# Altium PCB PCB1.PcbDoc (part 1 of 2) (continued)
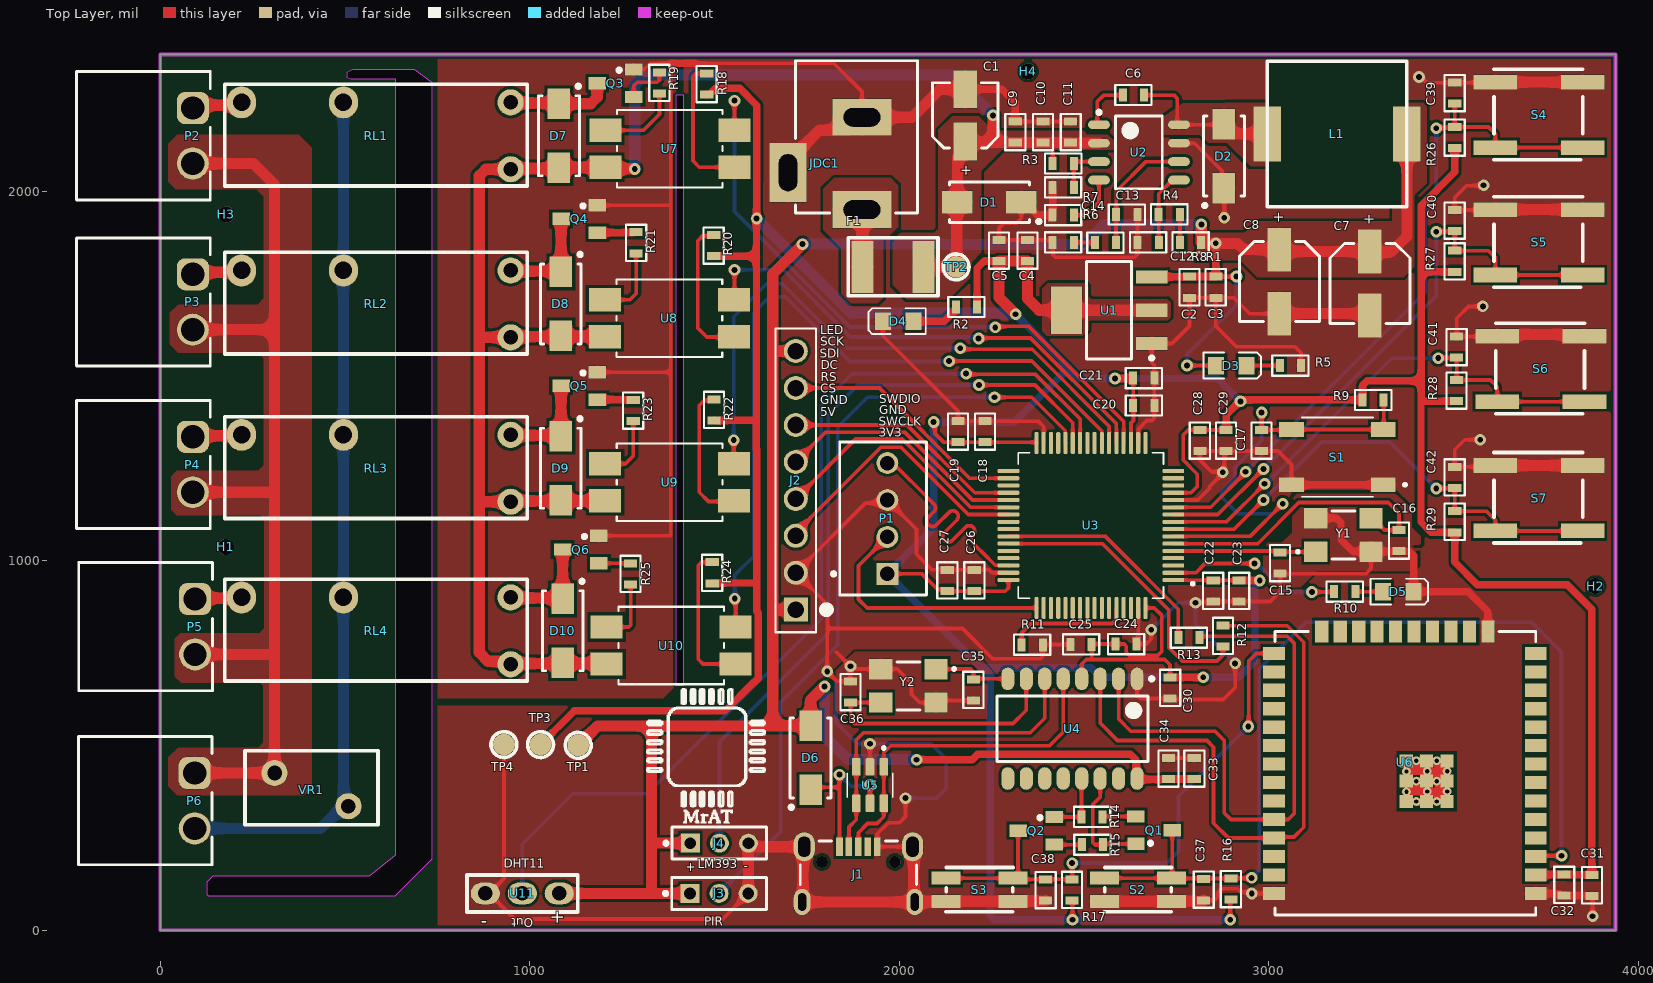
[diagram p0: Top Layer view]
## Part data (continued)
C11 C14 C30: library part 01060310310, "CAP, size 0603, 10nF", Capacitance Tolerance=+/-10%, Operating Temperature="-55 to +125degC", Capacitance=10nF, ComponentLink1Description=Manufacturer, ComponentLink1URL=http://www.we-online.de, ComponentLink2Description=Datasheet, ComponentLink2URL=https://www.we-online.com/catalog/datasheet/885012206089.pdf, Mounting Technology=SMT, Packaging="Tape and Reel", Size=0603, Supply 1 Name="Wurth Elektronik", Supply 1 SN=885012206089, Supply 1 URL=https://www.we-online.com/en/components/products/WCAP-CSGP-50VDC?sq=885012206089#885012206089, Supply 2 Name=Thegioiic, Supply 2 URL=https://www.thegioiic.com/tu-gom-0603-10nf-50v
C13: library part 01060347310, "CAP, size 0603, 47nF", Capacitance=47nF, Capacitance Tolerance=+/-10%, Operating Temperature="-55 to +125degC", ComponentLink1Description=Manufacturer, ComponentLink1URL=http://www.we-online.de, ComponentLink2Description=Datasheet, ComponentLink2URL=https://www.we-online.com/catalog/datasheet/885012206093.pdf, Mounting Technology=SMT, Packaging="Tape and Reel", Size=0603, Supply 1 Name="Wurth Elektronik", Supply 1 SN=885012206093, Supply 1 URL=https://www.we-online.com/en/components/products/WCAP-CSGP-50VDC?sq=885012206093#885012206093, Supply 2 Name=Thegioiic, Supply 2 URL=https://www.thegioiic.com/tu-gom-0603-47nf-50v
C15 C16 C35 C36: library part 01060322010, "CAP, size 0603, 22pF", Capacitance Tolerance=+/-10%, Operating Temperature="-55 to +125degC", Capacitance=22pF, ComponentLink1Description=Manufacturer, ComponentLink1URL=Thegioiic, ComponentLink2Description=Datasheet, Mounting Technology=SMT, Packaging="Tape and Reel", Size=0603, Supply 2 Name=Thegioiic, Supply 2 URL=https://www.thegioiic.com/tu-gom-0603-22pf-50v
C29: library part 01060310510, "CAP, size 0603, 1uF", Capacitance=1uF, Capacitance Tolerance=+/-10%, Operating Temperature="-55 to +125degC", ComponentLink1Description=Manufacturer, ComponentLink1URL=http://www.we-online.de, ComponentLink2Description=Datasheet, ComponentLink2URL=https://www.we-online.com/components/products/datasheet/885012206126.pdf, Mounting Technology=SMT, Packaging="Tape and Reel", Size=0603, Supply 1 Name="Wurth Elektronik", Supply 1 SN=885012206126, Supply 1 URL=https://www.we-online.com/en/components/products/WCAP-CSGP-50VDC?sq=885012206126#885012206126, Supply 2 Name=Thegioiic, Supply 2 URL=https://www.thegioiic.com/tu-gom-0603-1uf-50v
D1 D2 D6: "Schottky Diode", Code_JEDEC=DO-214-AA, LatestRevisionDate=17-Jul-2002, LatestRevisionNote="Re-released for DXP Platform.", PackageDescription="DO-214-AA/SMB; 2 C-Bend Leads; Body 5.3 x 3.6 mm, inc. leads (LxW)", PackageReference=SMB, Published=8-Jun-2000, Publisher="Altium Limited"
D3 D4 D5: "LED"
D7 D8 D9 D10: library part "D Schottky", "Schottky Diode", Code_JEDEC=DO-214-AA, LatestRevisionDate=17-Jul-2002, LatestRevisionNote="Re-released for DXP Platform.", PackageDescription="DO-214-AA/SMB; 2 C-Bend Leads; Body 5.3 x 3.6 mm, inc. leads (LxW)", PackageReference=SMB, Published=8-Jun-2000, Publisher="Altium Limited"
F1: library part 061812200008, "Resettable Fuse, Size 1812, 8V, 2A", Hold Current=2A, Manufacturer=Littelfuse, Threshold Current=100A, Threshold Voltage=8V, Trip Current=4A, ComponentLink1Description="Datasheet link", ComponentLink1URL=https://www.littelfuse.com/~/media/electronics/product_specifications/resettable_ptcs/littelfuse_ptc_minismdc300f_2_product_specification.pdf.pdf, ComponentLink2Description="Supply 1 URL", ComponentLink2URL=https://www.mouser.vn/ProductDetail/Littelfuse/MINISMDC200F-2?qs=F6FIpiMdEVbPu4q%2F42CC1w%3D%3D, ComponentLink3Description="Supply 2 URL", ComponentLink3URL=https://www.digikey.com/en/products/detail/littelfuse-inc/MINISMDC200F-2/1045898?s=N4IgTCBcDaIAQFkCSA5JBlBARAwmADPgGIC0EAugL5A, ComponentLink4Description="Supply 3 URL", ComponentLink4URL=https://www.thegioiic.com/cau-chi-tu-phuc-hoi-1812-8v-2a, Mounting Technology=SMT/SMD, Size=1812, Supply 1 Name=Mouser, Supply 1 SN=650-MINISMDC200F-2, Supply 2 Name=Digikey, Supply 2 SN=MINISMDC200F-2TR-ND, Supply 3 Name=Thegioiic, Supply 3 SN=N/A
H1 H2 H3 H4: library part "Tooling Hole 2mm"
J1: "Micro USB 2.0 Type B Receptacle WR-COM, Horizontal, SMT, with Pegs, High Current at Pin 1 & Pin 5", Contact Resistance="30 mOhm", Operating Temperature="-40 to 85 degC", Rated Current="3 A", Working Voltage="30 VAC", ComponentLink1Description=Manufacturer, ComponentLink1URL=http://www.we-online.de, ComponentLink2Description=Datasheet, ComponentLink2URL=https://katalog.we-online.de/em/datasheet/629105150521.pdf, Connector Type="Micro USB 2.0 Type B", Gender=Receptacle, Mounting Technology=SMT, Orientation=Horizontal, Packaging="Tape and Reel", Part Number=629105150521, Published Date="September 2018", Publisher="Wurth Elektronik"
J2: "No Description Available", Mfr_Name="Wurth Electronics", RefDes=RefDes, Type="Headers, Male Pins"
J3 J4: library part CMP-002-00073-1, "Male, 3 C, Straight, .079\"CC; 3.60mm Head/2.80mm Tail, No Mt; Nylon 6-T, Brass, 105 C", Max Operating Temperature=105°C, Min Operating Temperature=-40°C, Voltage Rating=150V, Connector Type=Header, Mounting Technology="Through Hole", RoHS Compliant=Yes
JDC1: "Jack DC input"
L1: library part 78477410, "WE-PD2A SMT Power Inductor, size 5848, 10uH, 2.2A", DC Resistance max.=0.1Ohm, DC Resistance typ.=0.078Ohm, Inductance=10uH, Manufacturer="Wurth Elektronik", Operating Temperature="-40 to +125degC", Rated Current=2.2A, Rated Voltage=80VDC, Saturation Current=2.5A, Self Resonant Frequency=26MHz, ComponentLink1Description=Manufacturer, ComponentLink1URL=http://www.we-online.de, ComponentLink2Description=Datasheet, ComponentLink2URL=https://www.we-online.com/catalog/datasheet/78477410.pdf, Manufacturer Part Number=78477410, Mounting Technology=SMT, Packaging="Tape and Reel", Published Date="May 2020", Size=5848, Supply 1 Name=Digi-Key, Supply 1 SN=732-6830-2-ND, Supply 1 URL=https://www.digikey.com/en/products/detail/w%C3%BCrth-elektronik/78477410/5168779?s=N4IgTCBcDaIOwA4Asc5IIwAYQF0C%2BQA, Supply 2 Name=Mouser, Supply 2 SN=710-78477410, Supply 2 URL=https://www.mouser.vn/ProductDetail/Wurth-Elektronik/78477410?qs=sBf%2Fb4nBSldlX6CYaJExDg%3D%3D, Supply 3 Name=thegioiic, Supply 3 URL=https://www.thegioiic.com/cuon-cam-dan-smd-cd53-5852-100-10uh-1-8a
P1: "WR-WTB THT Male Vertical Locking Header, pitch 2.54mm, 4p", Contact Resistance=20mOhm, Operating Temperature="-40 to +105degC", Rated Current=3A, Withstanding Voltage=1000VAC, Working Voltage=250VAC, ComponentLink1Description=Manufacturer, ComponentLink1URL=http://www.we-online.de, ComponentLink2Description=Datasheet, ComponentLink2URL=https://www.we-online.com/catalog/datasheet/61900411121.pdf, Gender=Male, Mounting Technology=THT, Packaging=Bag, Part Number=61900411121, Pin Number=4, Pitch=2.54mm, Published Date="January 2020", Publisher="Wurth Elektronik", Type=Vertical
P2 P3 P4 P5 P6: "WR-TBL Series 322 Horizontal PCB Header, THT, pitch 3.81mm, 2p", Manufacturer="Wurth Elektronik", Operating Temperature Max=105°C, Operating Temperature Min=-40°C, Rated Current=10A, Working Voltage=300V, Application=Pluggable, Category="Terminal Blocks", ComponentLink1Description="Website Link", ComponentLink1URL=https://www.we-online.com/redexpert/article/691322310002?ad, ComponentLink2Description="Datasheet Link", ComponentLink2URL=https://www.we-online.com/redexpert/spec/691322310002?ad, Manufacturer Part Number=691322310002, Match Code=WR-TBL, Modularity=No, Mount="Through Hole", Number of Pins=2, Number of Rows=1, Orientation=Horizontal, Packaging=Box, Pitch=3.81mm, Supply 3 Name=ThegioiIC, Supply 3 URL 1=https://www.thegioiic.com/kf-3-81-2-r-terminal-block-plug-in-han-pcb-2-chan-cong-3-81mm-300v-10a, Supply 3 URL 2=https://www.thegioiic.com/ul-3-81-2-r-terminal-block-plug-in-han-pcb-2-chan-cong-3-81mm-300v-10a-ulo
Q1 Q2: "NPN Bipolar Transistor"
Q3 Q4 Q5 Q6: library part BC817, "NPN Bipolar Transistor"
R1 R12 R13: library part 0006030001, "RES, 0 Ohm, size 0603, 1%", Rated Power="1/4 W", Resistance=2.5K, Resistance tolerance=+/-5%, ComponentLink1Description="Datasheet link", Mounting Technology=SMT, Size=0603
R2: library part 0006032525, "RES, 2.5K Ohm, size 0603, 5%", Rated Power="1/4 W", Resistance=2.5K, Resistance tolerance=+/-5%, ComponentLink1Description="Datasheet link", Mounting Technology=SMT, Size=0603
R3: library part 0006031041, "RES, 100k Ohm, size 0603, 1%", Rated Power=1/4W, Resistance Tolerant=+/-1%, ComponentLink1Description="Datasheet link", ComponentLink1URL=https://www.yageo.com/upload/media/product/productsearch/datasheet/rchip/PYu-SR_20105_RoHS_L_10.pdf, ComponentLink2Description="Supply 1 URL", ComponentLink2URL=https://www.mouser.vn/ProductDetail/YAGEO/SR0603FR-7T100KL?qs=sGAEpiMZZMvdGkrng054tz1y1XEHv7sNa%252BA%2F4WiDMf7aGw4zRBb%2FFQ%3D%3D, ComponentLink3Description="Supply 2 URL", ComponentLink3URL=https://www.digikey.com/en/products/detail/yageo/SR0603FR-7T100KL/9373095, Mounting Technology=SMT, Resistance=100k, Size=0603, Supply 1 Name=Mouser, Supply 1 SN=603-SR0603FR-7T100KL, Supply 2 Name=Digikey, Supply 2 SN="YAG5821TR-ND YAG5821CT-ND YAG5821DKR-ND"
R4: library part 0006038251, "RES, 8.2 kOhms, size 0603, 1%", Rated Power="1/4 W", Resistance=8.2K, Resistance tolerance=+/-1%, ComponentLink1Description="Datasheet link", Mounting Technology=SMT, Size=0603, Supply 1 Name=Mouser, Supply 1 SN=660-HV731JTTD8204F, Supply 1 URL=https://www.mouser.vn/ProductDetail/KOA-Speer/HV731JTTD8204F?qs=ZqVPfSd1khqN0teaqWW7DA%3D%3D, Supply 2 Name=Digi-Key, Supply 2 SN=13-RC0603FR-078M2LTR-ND, Supply 2 URL=https://www.digikey.com/en/products/detail/yageo/RC0603FR-078M2L/5918418
R5: library part 0006035621, "RES, 5.6k Ohm, size 0603, 1%", Rated Power=1/4W, Resistance Tolerant=+/-1%, ComponentLink1Description="Datasheet link", ComponentLink1URL=https://api.pim.na.industrial.panasonic.com/file_stream/main/fileversion/4484, ComponentLink2Description="Supply 1 URL", ComponentLink2URL=https://www.mouser.vn/ProductDetail/Panasonic/ERJ-UP3F5601V?qs=sGAEpiMZZMvdGkrng054twq3eZrCFN89ezYxgAsnxBTZYD17cS%252B65A%3D%3D, ComponentLink3Description="Supply 2 URL", ComponentLink3URL=https://www.digikey.com/en/products/detail/panasonic-electronic-components/ERJ-UP3F5601V/12092890, Mounting Technology=SMT, Resistance=5.6k, Size=0603, Supply 1 Name=Mouser, Supply 1 SN=667-ERJ-UP3F5601V, Supply 2 Name=Digikey, Supply 2 SN="10-ERJ-UP3F5601VTR-ND 10-ERJ-UP3F5601VCT-ND 10-ERJ-UP3F5601VDKR-ND"
R6: library part 0006033205, "RES, 30k Ohm, size 0603, 1%", Rated Power="1/4 W", Resistance tolerance=+/-1%, ComponentLink1Description="Datasheet link", Mounting Technology=SMT, Resistance=30k, Size=0603
R7: library part 0006032031, "RES, 20 kOhms, size 0603, 1%", Rated Power="1/4 W", Resistance="20 k", Resistance tolerance=+/-1%, ComponentLink1Description="Datasheet link", Mounting Technology=SMT, Size=0603, Supply 1 Name=Mouser, Supply 1 SN=667-ERJ-S03F2002V, Supply 1 URL=https://www.mouser.vn/ProductDetail/Panasonic/ERJ-S03F2002V?qs=Zyl8A9hlmJopfTdqNIDujw%3D%3D, Supply 2 Name=Digi-Key, Supply 2 SN=13-RC0603FR-1320KLTR-ND, Supply 2 URL=https://www.digikey.com/en/products/detail/yageo/RC0603FR-1320KL/13694225
R8 R10: library part 0006031521, "RES, 1.5 kOhms, size 0603, 1%", Rated Power="1/4 W", Resistance="1.5 k", Resistance tolerance=+/-1%, ComponentLink1Description="Datasheet link", Mounting Technology=SMT, Size=0603, Supply 1 Name=Mouser, Supply 1 SN=755-SFR03EZPF1501, Supply 1 URL=https://www.mouser.vn/ProductDetail/ROHM-Semiconductor/SFR03EZPF1501?qs=byeeYqUIh0NryWvnzlukLQ%3D%3D, Supply 2 Name=Digi-Key, Supply 2 SN=13-RC0603FR-071R5LTR-ND, Supply 2 URL=https://www.digikey.com/en/products/detail/yageo/RC0603FR-071R5L/5918292
R9 R14 R15 R16 R17 R26 R27 R28 R29: library part 0006031031, "RES, 10k Ohm, size 0603, 1%", Rated Power=1/4W, Resistance Tolerant=+/-1%, ComponentLink1Description="Datasheet link", ComponentLink1URL=https://fscdn.rohm.com/en/products/databook/datasheet/passive/resistor/chip_resistor/esr-e.pdf, ComponentLink2Description="Supply 1 URL", ComponentLink2URL=https://www.mouser.vn/ProductDetail/ROHM-Semiconductor/ESR03EZPF1002?qs=sGAEpiMZZMvdGkrng054t67Efho1F8r6CDeAsqwFse8%3D, ComponentLink3Description="Supply 2 URL", ComponentLink3URL=https://www.digikey.com/en/products/detail/rohm-semiconductor/ESR03EZPF1002/1983429, Mounting Technology=SMT, Resistance=10k, Size=0603, Supply 1 Name=Mouser, Supply 1 SN=755-ESR03EZPF1002, Supply 2 Name=Digikey, Supply 2 SN="RHM10KADTR-ND RHM10KADCT-ND RHM10KADDKR-ND"
R11: library part 0006031031, "RES, 10k Ohm, size 0603, 1%", Rated Power=1/4W, Resistance=10k, Resistance Tolerant=+/-1%, ComponentLink1Description="Datasheet link", ComponentLink1URL=https://fscdn.rohm.com/en/products/databook/datasheet/passive/resistor/chip_resistor/esr-e.pdf, ComponentLink2Description="Supply 1 URL", ComponentLink2URL=https://www.mouser.vn/ProductDetail/ROHM-Semiconductor/ESR03EZPF1002?qs=sGAEpiMZZMvdGkrng054t67Efho1F8r6CDeAsqwFse8%3D, ComponentLink3Description="Supply 2 URL", ComponentLink3URL=https://www.digikey.com/en/products/detail/rohm-semiconductor/ESR03EZPF1002/1983429, Mounting Technology=SMT, Size=0603, Supply 1 Name=Mouser, Supply 1 SN=755-ESR03EZPF1002, Supply 2 Name=Digikey, Supply 2 SN="RHM10KADTR-ND RHM10KADCT-ND RHM10KADDKR-ND"
R18 R20 R22 R24: library part 0006032211, "RES, 220 Ohm, size 0603, 1%", Rated Power=1/4W, Resistance Tolerant=+/-1%, ComponentLink1Description="Datasheet link", ComponentLink1URL=https://api.pim.na.industrial.panasonic.com/file_stream/main/fileversion/4484, ComponentLink2Description="Supply 1 URL", ComponentLink2URL=https://www.mouser.vn/ProductDetail/Panasonic/ERJ-UP3F2200V?qs=sGAEpiMZZMvdGkrng054twq3eZrCFN89E%252BhCXuCu3h8RslmTO1I28Q%3D%3D, ComponentLink3Description="Supply 2 URL", ComponentLink3URL=https://www.digikey.com/en/products/detail/panasonic-electronic-components/ERJ-UP3F2200V/12092129, Mounting Technology=SMT, Resistance=220, Size=0603, Supply 1 Name=Mouser, Supply 1 SN=667-ERJ-UP3F2200V, Supply 2 Name=Digikey, Supply 2 SN="10-ERJ-UP3F2200VTR-ND 10-ERJ-UP3F2200VCT-ND 10-ERJ-UP3F2200VDKR-ND"
R19 R21 R23 R25: library part 0006032221, "RES, 2.2k Ohm, size 0603, 1%", Rated Power=1/4W, Resistance Tolerant=+/-1%, ComponentLink1Description="Datasheet link", ComponentLink1URL=https://api.pim.na.industrial.panasonic.com/file_stream/main/fileversion/4484, ComponentLink2Description="Supply 1 URL", ComponentLink2URL=https://www.mouser.vn/ProductDetail/Panasonic/ERJ-UP3F2201V?qs=sGAEpiMZZMvdGkrng054twq3eZrCFN89KeaXYJ5LTWyJgfuuVVfZrw%3D%3D, ComponentLink3Description="Supply 2 URL", ComponentLink3URL=https://www.digikey.com/en/products/detail/panasonic-electronic-components/ERJ-UP3F2201V/12092708, ComponentLink4Description="Supply 3 URL", ComponentLink4URL=https://www.thegioiic.com/dien-tro-2-2-kohm-0603-1, Mounting Technology=SMT, Resistance=2.2k, Size=0603, Supply 1 Name=Mouser, Supply 1 SN=667-ERJ-UP3F2201V, Supply 2 Name=Digikey, Supply 2 SN="10-ERJ-UP3F2201VTR-ND 10-ERJ-UP3F2201VCT-ND 10-ERJ-UP3F2201VDKR-ND", Supply 3 Name=thegioiic, Supply 3 SN=NA
RL1 RL2 RL3 RL4: "SeriesHF46F 12V 1 Form A 1A Gold Plated SUBMINIATURE INTERMEDIATE POWER RELAY", Package=None, Availability="Not in stock", Check_prices=https://www.snapeda.com/parts/HF46F/Hongfa/view-part/?ref=eda, MF=Hongfa, MP=HF46F, Price=None, SnapEDA_Link=https://www.snapeda.com/parts/HF46F/Hongfa/view-part/?ref=snap
S1: library part 8-1437565-1, Package=None, Availability=Unavailable, MP=8-1437565-1, Price=None
S2 S3: "Tactile Switch, 3x4x2.5mm", Package=None, Availability=Unavailable, ComponentLink1Description="New link", MP=TL6700AF160QG, Price=None, Supplier 1 Name=Thegioiic, Supplier 1 URL=https://www.thegioiic.com/nut-nhan-3x4mm-cao-2-5mm-4-chan-smd
S4 S5 S6 S7: "Tactile Switch, 6x6mm"
TP1 TP2 TP3 TP4: "Test point, 2mm radius"
U1: "AMS1117-3.3V, OUT 3.3V 1A.", Current Output Maximum=1A, Manufacturer=AMS, Voltage Input Maximum=15V, Voltage Output=3.3V, Datasheet=http://www.advanced-monolithic.com/pdf/ds1117.pdf, Mounting Technology=SMD, Pad Count=4, Supplier 3 Link=https://www.thegioiic.com/ams1117-3-3v-ic-on-ap-3-3v-1a-sot-223, Supplier 3 Name=ThegioiIC
U2: library part TPS54231, "Buck Switching Regulator IC Positive Adjustable 0.8V 1 Output 2A 8-SOIC (0.154\", 3.90mm Width)", Current - Output=2A, Frequency - Switching=570kHz, Mfr="Texas Instruments", Operating Temperature="-40°C ~ 150°C (TJ)", Voltage - Input (Max)=28V, Voltage - Input (Min)=3.5V, Voltage - Output (Max)=25V, Voltage - Output (Min/Fixed)=0.8V, Category="Integrated Circuits (ICs)", ComponentLink1Description=Thegioiic, ComponentLink1URL=https://www.thegioiic.com/tps54231dr-ic-dieu-chinh-giam-ap-2a-8-soic, ComponentLink2Description=Datasheet, ComponentLink2URL=https://www.ti.com/lit/ds/symlink/tps54231.pdf, Function=Step-Down, Mounting Type="Surface Mount", Number of Outputs=1, Output Configuration=Positive, Output Type=Adjustable, Topology=Buck
U3: "ARMÂ® CortexÂ®-M3 STM32F1 Microcontroller IC 32-Bit 72MHz 256KB (256K x 8) FLASH 64-LQFP (10x10)", Package="LQFP-64 STMicroelectronics", Availability="In Stock", Check_prices=https://www.snapeda.com/parts/STM32F103RCT6/STMicroelectronics/view-part/?ref=eda, MF=STMicroelectronics, MP=STM32F103RCT6, Price=None, Purchase-URL=https://pricing.snapeda.com/search/part/STM32F103RCT6/?ref=eda, SnapEDA_Link=https://www.snapeda.com/parts/STM32F103RCT6/STMicroelectronics/view-part/?ref=snap
U4: library part CH340, "USB Bridge, USB to UART USB 2.0 UART Interface", Current - Supply=20mA, Mfr="SparkFun Electronics", Operating Temperature="-20°C ~ 70°C (TA)", Voltage - Supply="3V ~ 3.6V", ComponentLink1Description=Thegioiic, ComponentLink1URL=https://www.thegioiic.com/ch340g, ComponentLink2Description=Datasheet, ComponentLink2URL=https://www.thegioiic.com/upload/documents/5d39d5f0043101a4c964078db79fe1bd.PDF, Function="Bridge, USB to UART", Interface=UART, Protocol=USB, Standards="USB 2.0"
U5: "17V Clamp 5A (8/20Âµs) Ipp Tvs Diode Surface Mount SOT-23-6"
U6: library part ESP32-WROOM, "Bluetooth, WiFi 802.11b/g/n, Bluetooth v4.2 +EDR, Class 1, 2 and 3 Transceiver Module 2.4GHz ~ 2.5GHz Integrated, Trace Surface Mount", Frequency="2.4GHz ~ 2.5GHz", Mfr="Espressif Systems", Operating Temperature="-40°C ~ 85°C", Power - Output=20dBm, Voltage - Supply="3V ~ 3.6V", Antenna Type="Integrated, Trace", Category="RF and Wireless", ComponentLink1Description=Hshop, ComponentLink1URL=https://hshop.vn/products/mach-thu-phat-wifi-ble-soc-esp32-v1, ComponentLink2Description=Datasheet, ComponentLink2URL=https://www.espressif.com/sites/default/files/russianDocumentation/esp32-wroom-32e_esp32-wroom-32ue_datasheet_en.pdf, Data Rate=150Mbps, Memory Size="4MB Flash, 448kB ROM, 536kB SRAM", Modulation="CCK, DSSS, OFDM", Mounting Type="Surface Mount", Protocol="802.11b/g/n, Bluetooth v4.2 +EDR, Class 1, 2 and 3", RF Family/Standard="Bluetooth, WiFi", Sensitivity=-98dBm, Serial Interfaces="ADC, GPIO, I²C, I²S, PWM, SDIO, SPI, UART", Series=ESP32, Utilized IC / Part=ESP32-D0WD-V3
U7 U8 U9 U10: "PC817 series, SMD, I_F (max) = 500mA, V_F (max) = 1.4V. / Breakdown voltage: BV_CE = 80V, BV_BE = 6V."
U11: "Temperature & Humidity Sensor, 3.3V-5V, 5mA"
VR1: library part "07D471K 470V", "07D471K 470V"
Y1: library part 830106162701, "WE-XTAL Quartz Crystal, SMT, CFPX-104, 8MHz, +/-20ppm", Frequency Stability=+/-30ppm, Frequency Tolerance=+/-20ppm, Load Capacitance=16pF, Manufacturer="Wurth Elektronik", Operating Temperature="-40 to +85degC", ComponentLink1Description=Manufacturer, ComponentLink1URL=http://www.we-online.de, ComponentLink2Description=Datasheet, ComponentLink2URL=https://www.we-online.com/catalog/datasheet/830106162701.pdf, Frequency=8MHz, Manufacturer Part Number=830106162701, Mounting Technology=SMT, Packaging="Tape and Reel", Published Date="November 2020", Size=CFPX-104
Y2: library part 830055999, "WE-XTAL Quartz Crystal, SMT, CFPX-104, 12MHz, +/-30ppm", Frequency Stability=+/-30ppm, Load Capacitance=18pF, Manufacturer="Wurth Elektronik", Operating Temperature="-40 to +85degC", ComponentLink1Description=Manufacturer, ComponentLink1URL=http://www.we-online.de, ComponentLink2Description=Datasheet, ComponentLink2URL=https://katalog.we-online.com/pbs/datasheet/830055999.pdf, Frequency=12MHz, Frequency Tolerance=+/-30ppm, Manufacturer Part Number=830055999, Mounting Technology=SMT, Packaging="Tape and Reel", Published Date="July 2020", Size=CFPX-104

## Via types
v1: diameter 31.5, hole 15.75, Top Layer to Bottom Layer, tented both sides, 58 vias
v2: diameter 31.5, hole 15.75, Top Layer to Bottom Layer, 4 vias

## Nets (pads, with @x,y where several pads share a name; then routed paths per layer and width w, separated by ;. In a path a pad name is that pad's centre, name@x,y a point inside that pad or via, vN(x,y) a via of type N, cw(c..) or ccw(c..) an arc to the next point about the centre after c; other vN are vias at no path point)
+3V3: C4.2 C5.2 C18.2 C19.2 C20.2 C21.2 C22.2 C23.1 C24.2 C25.2 C26.2 C27.2 C28.2 C29.2 C30.1 C31.1 C32.1 P1.1 R2.2 R9.2 R16.1 R17.1 R18.1 R20.1 R22.1 R24.1 R26.1 R27.1 R28.1 R29.1 TP3.1 U1.2 U1.4 U3.1 U3.13 U3.19 U3.32 U3.48 U3.64 U4.4 U6.2 | length 14446.9
  Top Layer w10: P1.1@1968,965 2062,965 2104.16,922.84 2125.16,922.84 2130,918 2287,918 2295.77,926.77 U3.48@2295.77,948.36 ; v1(2093,1376) 2096.75,1372.25 2096.75,1345.25 2121.04,1320.96 2211.5,1320.96 2212,1321.46 C18.2@2232,1321.46 2370.85,1321.46 2371.36,1320.94 U3.32@2371.36,1319.23 ; R17.1@2468.13,80.91 2469,80.04 v1(2469,28.75) ; U4.4@2494,680.84 2494,721 2506,733 2521,733 ; C25.2@2521.09,774 2521.09,733.09 2521,733 ; C25.2@2521.09,775 C24.2@2585.46,775 2609,775 2614.86,769.14 2614.86,752.14 2622.72,744.28 2699.94,744.28 2711,755.34 2711,852 2690.23,872.77 U3.64@2666.64,872.77 ; U3.19@2627.27,1319.23 2627.27,1373.27 2634.14,1380.14 C20.2@2634.14,1416.35 ; C20.2@2633.46,1421 C21.2@2633.46,1494.83 ; C30.1@2733.22,684.54 2733.22,718.78 2719,733 2521,733 ; U3.1@2742.23,948.36 2766.05,948.36 2766.87,947.54 C22.2@2850,947.54 C23.1@2920,947.54 ; U3.13@2742.23,1184.58 2790.13,1184.58 2807,1201.46 2807,1235 2769,1273 2769,1341 2782.54,1354.54 C28.2@2814,1354.54 C29.2@2885,1354.54 ; v1(2896,28.75) 2896,81.46 R16.1@2898,83.46
  Top Layer w20: TP3.1@1029,503 1120,594 1528.52,594 1606.02,671.5 1608.02,671.5 1618.57,682.05 1618.57,859.95 1614.23,864.29 1614.23,1123.97 ; R18.1@1479,2262.46 1479.83,2263.28 1486.72,2263.28 1503.18,2279.75 1567.98,2279.75 1614.81,2232.92 1614.81,2027.05 1614,2026.24 v1@1614,1924.46 ; R24.1@1494,939.46 1494.83,940.28 1612.23,940.28 ; R20.1@1498.83,1824.63 1499.12,1824.92 1613.57,1824.92 ; R22.1@1499,1380.46 1506.72,1379.83 1508.67,1379.68 1509.47,1379.61 R22.1@1510.27,1379.61 ; R22.1@1510.28,1379.61 1515.56,1379.61 1516.57,1380.63 1613.57,1380.63 1613.57,1824.92 ; 1613.49,1380.63 1613.49,1302.77 1614.31,1301.95 1614.31,1125.97 ; v1@1613.57,1924.03 1613.57,1824.92 ; R2.2@2210.54,1687 2210.54,1792.54 2229.46,1811.46 C5.2@2270,1811.46 ; v1(2584,1494) 2632.63,1494 2633.46,1494.83 C21.2@2633.46,1495 ; C30.1@2733.22,684.54 2733.45,684.77 2822.77,684.77 v1(2823,685) ; C29.2@2885,1354.54 2885,1355.12 2885.25,1355.37 2885.25,1395.37 2921.88,1432 v1(2924,1432) 2927.11,1432 2931.11,1436 R9.2@3254.46,1436 3254.46,1475.83 3266.17,1487.54 3412.86,1487.54 ; C23.1@2920,947.54 2920.27,947.27 2975.73,947.27 v1(2976,947) ; 3412.86,1434.68 3412.86,1487.54 ; 3412.85,1782.69 R27.1@3503.88,1782.69 ; R26.1@3503.88,2117.69 3503.88,2052.88 3412.86,1961.86 3412.86,1487.54 ; R28.1@3508.88,1432.69 3414.85,1432.69 3412.54,1435 3412.54,1105.46 3440.31,1077.69 R29.1@3503.88,1077.69 3503.88,997.12 3565,936 3808,936 3875,869 C31.1@3875,150.54 3807.89,150.54 3806.89,151.54 C32.1@3800,151.54 3799.2,150.74 3723.8,150.74 U6.2@3723,149.94
  Top Layer w30: v1(2315,1668) 2270,1713 C5.2@2270,1811.46 C4.2@2347,1811.46 2347,1710 2378.29,1678.71 U1.4@2452.65,1678.71 U1.2@2683.35,1678.71
  Bottom Layer w20: v1(2315,1668) 2459.5,1523.5 ; v1(2469,28.75) 2257.72,28.75 2246,40.46 2246,710.54 ; v1@2470.75,28.75 v1(2896,28.75) ; v1(2924,1432) 2862,1494 v1(2584,1494) 2489,1494 2459.5,1523.5 ; v1(2976,947) 2976,943.89 2963,930.89 2963,728.53 2919.47,685 v1(2823,685) 2545.72,685 2520.17,710.54 2246,710.54 ; 2246,710.54 2222.46,710.54 P1.1@1968,965 2093,1090 v1(2093,1376) 2094,1375 2311,1375 2459.5,1523.5
  Bottom Layer w30: v1(1614,1927) 1870,1671 2276.05,1671 2278.76,1668.29 2314.71,1668.29 v1(2315,1668)
+5V: C2.2 C3.2 C7.1 C8.1 C33.2 C34.2 D3.1 D6.2 J2.1 J2.8 J3.1 J4.1 L1.2 R1.2 TP1.1 U1.3 U4.16 U11.1 | length 7089.9
  Top Layer w10: v1(2779,1529) D3.1@2857.66,1529 ; C3.2@2857,1769.54 2857.23,1769.77 2912.77,1769.77 v1(2913,1770)
  Top Layer w20: v1(2047,462) 2198,462 2213,477 2626,477 2641.05,461.95 2641.05,412.02 2644.33,408.73 2727.88,408.73 C34.2@2728.61,409.46 C33.2@2798.61,409.46 ; U1.3@2683.35,1768.87 2683.69,1769.21 2785.66,1769.21 C2.2@2786,1769.54 C3.2@2857,1769.54 v1(2857,1860)
  Top Layer w30: U11.1@1079.84,100 1337,100 ; TP1.1@1131,501 1131.17,501 1183.78,553.61 1330,553.61 ; J3.1@1434.02,100.5 J3.1@1433.52,100 1337,100 ; J4.1@1434.52,236 1333.94,236 1331.94,238 1330,239.94 ; J2.1@1720,868 1659.67,868 1657.67,870 ; J2.8@1720,1568 1659.67,1568 1657.67,1570 ; v1(1738.26,1857.62) 1738.26,1857.26 1657.67,1776.67 1657.67,1570 ; v1(1798,660) 1796,660 1760,624 D6.2@1760,553.61 1657.67,553.61 ; v1(2818,1911) 2817.54,1910.54 R1.2@2817.54,1862 2819.26,1860.29 2856.71,1860.29 v1(2857,1860) 2857.29,1859.71 2915.65,1859.71 2932.75,1842.61 C8.1@3029,1842.61 3034,1837.61 C7.1@3274,1837.61 3275.61,1836 3331.05,1836 3374,1878.95 L1.2@3374,2156 ; 1330,239.94 1330,107 1337,100 ; 1330,239.94 1330,553.61 ; 1330,553.61 1657.67,553.61 ; 1657.67,553.61 1657.67,870 ; 1657.67,870 1657.67,1570
  Bottom Layer w10: v1(2779,1529) 2779,1559 2913,1693 v1(2913,1770)
  Bottom Layer w30: v1(1738.26,1857.62) 2119.03,1857.62 2119.64,1857 2500,1857 2554,1911 v1(2818,1911) ; v1(1798,660) 1798,525 1861,462 v1(2047,462)
+5V_USB: D6.1 J1.1 U5.5 | length 424.2
  Top Layer w10: D6.1@1760,380.39 1766.81,387.2 1838.39,387.2 ; J1.1@1838.39,226.34 1838.39,387.2 ; v2(1838.39,421.61) 1838.39,387.2 ; U5.5@1921,343.59 v2(1921,394)
  Bottom Layer w10: v2(1838.39,421.61) 1870,390 1917,390 v2(1921,394)